# Allegro board SG2042_EVB_V1_1.brd (continued)
## Footprints (pads in the part's own frame, mm; a bottom-side part is the same pattern mirrored in y, then rotated) (continued)
C0201
  rect 0.3x0.3 smd: 1(-0.26,0) 2(0.26,0)
C0402
  rect 0.508x0.508 smd: 1(-0.406,0) 2(0.406,0)
C0402_BGA
  custom 0.127x0.127 smd: 1(-0.508,0) 2(0.508,0)
C0603
  rect 0.762x0.813 smd: 1(-0.737,0) 2(0.737,0)
C0805
  rect 1.143x1.27 smd: 1(-0.889,0) 2(0.889,0)
C1206
  rect 1.397x1.651 smd: 1(-1.397,0) 2(1.397,0)
C1210
  rect 1.397x2.413 smd: 1(-1.397,0) 2(1.397,0)
C7343
  rect 2.413x2.896 smd: 1(-3.05,0) 2(3.05,0)
CAP-SMD100-H126
  rect 1.9x4.4 smd: 1(0,4.35) 2(0,-4.35)
CON-SMD164-910X75-PCIEX16
  round 1.2 hole 1.2 unplated: (-43.3,0) (29.85,0)
  rect 0.7x2 smd: A1(41.5,-3.6) A2(40.5,-3.6) A3(39.5,-3.6) A4(38.5,-3.6) A5(37.5,-3.6) A6(36.5,-3.6) A7(35.5,-3.6) A8(34.5,-3.6) A9(33.5,-3.6) A10(32.5,-3.6) A11(31.5,-3.6) A12(28.5,-3.6) A13(27.5,-3.6) A14(26.5,-3.6) A15(25.5,-3.6) A16(24.5,-3.6) A17(23.5,-3.6) A18(22.5,-3.6) A19(21.5,-3.6) A20(20.5,-3.6) A21(19.5,-3.6) A22(18.5,-3.6) A23(17.5,-3.6) A24(16.5,-3.6) A25(15.5,-3.6) A26(14.5,-3.6) A27(13.5,-3.6) A28(12.5,-3.6) A29(11.5,-3.6) A30(10.5,-3.6) A31(9.5,-3.6) A32(8.5,-3.6) A33(7.5,-3.6) A34(6.5,-3.6) A35(5.5,-3.6) A36(4.5,-3.6) A37(3.5,-3.6) A38(2.5,-3.6) A39(1.5,-3.6) A40(0.5,-3.6) A41(-0.5,-3.6) A42(-1.5,-3.6) A43(-2.5,-3.6) A44(-3.5,-3.6) A45(-4.5,-3.6) A46(-5.5,-3.6) A47(-6.5,-3.6) A48(-7.5,-3.6) A49(-8.5,-3.6) A50(-9.5,-3.6) A51(-10.5,-3.6) A52(-11.5,-3.6) A53(-12.5,-3.6) A54(-13.5,-3.6) A55(-14.5,-3.6) A56(-15.5,-3.6) A57(-16.5,-3.6) A58(-17.5,-3.6) A59(-18.5,-3.6) A60(-19.5,-3.6) A61(-20.5,-3.6) A62(-21.5,-3.6) A63(-22.5,-3.6) A64(-23.5,-3.6) A65(-24.5,-3.6) A66(-25.5,-3.6) A67(-26.5,-3.6) A68(-27.5,-3.6) A69(-28.5,-3.6) A70(-29.5,-3.6) A71(-30.5,-3.6) A72(-31.5,-3.6) A73(-32.5,-3.6) A74(-33.5,-3.6) A75(-34.5,-3.6) A76(-35.5,-3.6) A77(-36.5,-3.6) A78(-37.5,-3.6) A79(-38.5,-3.6) A80(-39.5,-3.6) A81(-40.5,-3.6) A82(-41.5,-3.6) B1(41.5,3.6) B2(40.5,3.6) B3(39.5,3.6) B4(38.5,3.6) B5(37.5,3.6) B6(36.5,3.6) B7(35.5,3.6) B8(34.5,3.6) B9(33.5,3.6) B10(32.5,3.6) B11(31.5,3.6) B12(28.5,3.6) B13(27.5,3.6) B14(26.5,3.6) B15(25.5,3.6) B16(24.5,3.6) B17(23.5,3.6) B18(22.5,3.6) B19(21.5,3.6) B20(20.5,3.6) B21(19.5,3.6) B22(18.5,3.6) B23(17.5,3.6) B24(16.5,3.6) B25(15.5,3.6) B26(14.5,3.6) B27(13.5,3.6) B28(12.5,3.6) B29(11.5,3.6) B30(10.5,3.6) B31(9.5,3.6) B32(8.5,3.6) B33(7.5,3.6) B34(6.5,3.6) B35(5.5,3.6) B36(4.5,3.6) B37(3.5,3.6) B38(2.5,3.6) B39(1.5,3.6) B40(0.5,3.6) B41(-0.5,3.6) B42(-1.5,3.6) B43(-2.5,3.6) B44(-3.5,3.6) B45(-4.5,3.6) B46(-5.5,3.6) B47(-6.5,3.6) B48(-7.5,3.6) B49(-8.5,3.6) B50(-9.5,3.6) B51(-10.5,3.6) B52(-11.5,3.6) B53(-12.5,3.6) B54(-13.5,3.6) B55(-14.5,3.6) B56(-15.5,3.6) B57(-16.5,3.6) B58(-17.5,3.6) B59(-18.5,3.6) B60(-19.5,3.6) B61(-20.5,3.6) B62(-21.5,3.6) B63(-22.5,3.6) B64(-23.5,3.6) B65(-24.5,3.6) B66(-25.5,3.6) B67(-26.5,3.6) B68(-27.5,3.6) B69(-28.5,3.6) B70(-29.5,3.6) B71(-30.5,3.6) B72(-31.5,3.6) B73(-32.5,3.6) B74(-33.5,3.6) B75(-34.5,3.6) B76(-35.5,3.6) B77(-36.5,3.6) B78(-37.5,3.6) B79(-38.5,3.6) B80(-39.5,3.6) B81(-40.5,3.6) B82(-41.5,3.6)
  rect 3x5 smd: PIN1(44.5,0)
  custom 0.75x0.75 smd: PIN2(-44.5,0)
CON-THD3-58X76-H116-FAN
  rect 1.7x1.7 hole 1.2: 1(2.54,0.3)
  round 1.7 hole 1.2: 2(0,0.3) 3(-2.54,0.3)
CON-THD4-58X102-H116-FAN
  rect 1.7x1.7 hole 1.2: 1(3.81,0.3)
  round 1.7 hole 1.2: 2(1.27,0.3) 3(-1.27,0.3) 4(-3.81,0.3)
CON-THD20-10X2-JTAG
  rect 1.524x1.524 hole 1.016: 1(-11.43,-1.27)
  round 1.524 hole 1.016: 2(-11.43,1.27) 3(-8.89,-1.27) 4(-8.89,1.27) 5(-6.35,-1.27) 6(-6.35,1.27) 7(-3.81,-1.27) 8(-3.81,1.27) 9(-1.27,-1.27) 10(-1.27,1.27) 11(1.27,-1.27) 12(1.27,1.27) 13(3.81,-1.27) 14(3.81,1.27) 15(6.35,-1.27) 16(6.35,1.27) 17(8.89,-1.27) 18(8.89,1.27) 19(11.43,-1.27) 20(11.43,1.27)
CON-THD24-522X96-ATX-VF
  rect 2.8x2.8 hole 1.8: 1(23.1,-2.1)
  round 2.8 hole 1.8: 2(18.9,-2.1) 3(14.7,-2.1) 4(10.5,-2.1) 5(6.3,-2.1) 6(2.1,-2.1) 7(-2.1,-2.1) 8(-6.3,-2.1) 9(-10.5,-2.1) 10(-14.7,-2.1) 11(-18.9,-2.1) 12(-23.1,-2.1) 13(23.1,2.1) 14(18.9,2.1) 15(14.7,2.1) 16(10.5,2.1) 17(6.3,2.1) 18(2.1,2.1) 19(-2.1,2.1) 20(-6.3,2.1) 21(-10.5,2.1) 22(-14.7,2.1) 23(-18.9,2.1) 24(-23.1,2.1)
CON-THD32-190X420-LPC_ADAPTER
  rect 1.524x1.524 hole 1.016: 1(-8.09,18.96)
  round 1.524 hole 1.016: 2(-8.09,16.42) 3(-8.09,13.88) 4(-8.09,11.34) 5(-8.09,8.8) 6(-8.09,6.26) 7(-8.09,3.72) 8(-8.09,1.18) 9(-8.09,-1.36) 10(-8.09,-3.9) 11(-8.09,-6.44) 12(-8.09,-8.98) 13(-8.09,-11.52) 14(-8.09,-14.06) 15(-8.09,-16.6) 16(-8.09,-19.14) 17(7.91,-19.14) 18(7.91,-16.6) 19(7.91,-14.06) 20(7.91,-11.52) 21(7.91,-8.98) 22(7.91,-6.44) 23(7.91,-3.9) 24(7.91,-1.36) 25(7.91,1.18) 26(7.91,3.72) 27(7.91,6.26) 28(7.91,8.8) 29(7.91,11.34) 30(7.91,13.88) 31(7.91,16.42) 32(7.91,18.96)
CON-THD288-1420X65-H213-DDR4DIMM
  round 2.45 hole 2.45 unplated: (-68.975,0) (68.975,0)
  oval 1.2x2.45 hole 1.2x2.45 unplated: (5.575,0)
  rect 0.965x0.965 hole 0.66: 1(-63.325,-2.7)
  round 0.965 hole 0.66: 2(-62.475,-1.1) 3(-61.625,-2.7) 4(-60.775,-1.1) 5(-59.925,-2.7) 6(-59.075,-1.1) 7(-58.225,-2.7) 8(-57.375,-1.1) 9(-56.525,-2.7) 10(-55.675,-1.1) 11(-54.825,-2.7) 12(-53.975,-1.1) 13(-53.125,-2.7) 14(-52.275,-1.1) 15(-51.425,-2.7) 16(-50.575,-1.1) 17(-49.725,-2.7) 18(-48.875,-1.1) 19(-48.025,-2.7) 20(-47.175,-1.1) 21(-46.325,-2.7) 22(-45.475,-1.1) 23(-44.625,-2.7) 24(-43.775,-1.1) 25(-42.925,-2.7) 26(-42.075,-1.1) 27(-41.225,-2.7) 28(-40.375,-1.1) 29(-39.525,-2.7) 30(-38.675,-1.1) 31(-37.825,-2.7) 32(-36.975,-1.1) 33(-36.125,-2.7) 34(-35.275,-1.1) 35(-34.425,-2.7) 36(-33.575,-1.1) 37(-32.725,-2.7) 38(-31.875,-1.1) 39(-31.025,-2.7) 40(-30.175,-1.1) 41(-29.325,-2.7) 42(-28.475,-1.1) 43(-27.625,-2.7) 44(-26.775,-1.1) 45(-25.925,-2.7) 46(-25.075,-1.1) 47(-24.225,-2.7) 48(-23.375,-1.1) 49(-22.525,-2.7) 50(-21.675,-1.1) 51(-20.825,-2.7) 52(-19.975,-1.1) 53(-19.125,-2.7) 54(-18.275,-1.1) 55(-17.425,-2.7) 56(-16.575,-1.1) 57(-15.725,-2.7) 58(-14.875,-1.1) 59(-14.025,-2.7) 60(-13.175,-1.1) 61(-12.325,-2.7) 62(-11.475,-1.1) 63(-10.625,-2.7) 64(-9.775,-1.1) 65(-8.925,-2.7) 66(-8.075,-1.1) 67(-7.225,-2.7) 68(-6.375,-1.1) 69(-5.525,-2.7) 70(-4.675,-1.1) 71(-3.825,-2.7) 72(-2.975,-1.1) 73(-2.125,-2.7) 74(-1.275,-1.1) 75(-0.425,-2.7) 76(0.425,-1.1) 77(1.275,-2.7) 78(7.225,-1.1) 79(8.075,-2.7) 80(8.925,-1.1) 81(9.775,-2.7) 82(10.625,-1.1) 83(11.475,-2.7) 84(12.325,-1.1) 85(13.175,-2.7) 86(14.025,-1.1) 87(14.875,-2.7) 88(15.725,-1.1) 89(16.575,-2.7) 90(17.425,-1.1) 91(18.275,-2.7) 92(19.125,-1.1) 93(19.975,-2.7) 94(20.825,-1.1) 95(21.675,-2.7) 96(22.525,-1.1) 97(23.375,-2.7) 98(24.225,-1.1) 99(25.075,-2.7) 100(25.925,-1.1) 101(26.775,-2.7) 102(27.625,-1.1) 103(28.475,-2.7) 104(29.325,-1.1) 105(30.175,-2.7) 106(31.025,-1.1) 107(31.875,-2.7) 108(32.725,-1.1) 109(33.575,-2.7) 110(34.425,-1.1) 111(35.275,-2.7) 112(36.125,-1.1) 113(36.975,-2.7) 114(37.825,-1.1) 115(38.675,-2.7) 116(39.525,-1.1) 117(40.375,-2.7) 118(41.225,-1.1) 119(42.075,-2.7) 120(42.925,-1.1) 121(43.775,-2.7) 122(44.625,-1.1) 123(45.475,-2.7) 124(46.325,-1.1) 125(47.175,-2.7) 126(48.025,-1.1) 127(48.875,-2.7) 128(49.725,-1.1) 129(50.575,-2.7) 130(51.425,-1.1) 131(52.275,-2.7) 132(53.125,-1.1) 133(53.975,-2.7) 134(54.825,-1.1) 135(55.675,-2.7) 136(56.525,-1.1) 137(57.375,-2.7) 138(58.225,-1.1) 139(59.075,-2.7) 140(59.925,-1.1) 141(60.775,-2.7) 142(61.625,-1.1) 143(62.475,-2.7) 144(63.325,-1.1) 145(-63.325,1.1) 146(-62.475,2.7) 147(-61.625,1.1) 148(-60.775,2.7) 149(-59.925,1.1) 150(-59.075,2.7) 151(-58.225,1.1) 152(-57.375,2.7) 153(-56.525,1.1) 154(-55.675,2.7) 155(-54.825,1.1) 156(-53.975,2.7) 157(-53.125,1.1) 158(-52.275,2.7) 159(-51.425,1.1) 160(-50.575,2.7) 161(-49.725,1.1) 162(-48.875,2.7) 163(-48.025,1.1) 164(-47.175,2.7) 165(-46.325,1.1) 166(-45.475,2.7) 167(-44.625,1.1) 168(-43.775,2.7) 169(-42.925,1.1) 170(-42.075,2.7) 171(-41.225,1.1) 172(-40.375,2.7) 173(-39.525,1.1) 174(-38.675,2.7) 175(-37.825,1.1) 176(-36.975,2.7) 177(-36.125,1.1) 178(-35.275,2.7) 179(-34.425,1.1) 180(-33.575,2.7) 181(-32.725,1.1) 182(-31.875,2.7) 183(-31.025,1.1) 184(-30.175,2.7) 185(-29.325,1.1) 186(-28.475,2.7) 187(-27.625,1.1) 188(-26.775,2.7) 189(-25.925,1.1) 190(-25.075,2.7) 191(-24.225,1.1) 192(-23.375,2.7) 193(-22.525,1.1) 194(-21.675,2.7) 195(-20.825,1.1) 196(-19.975,2.7) 197(-19.125,1.1) 198(-18.275,2.7) 199(-17.425,1.1) 200(-16.575,2.7) 201(-15.725,1.1) 202(-14.875,2.7) 203(-14.025,1.1) 204(-13.175,2.7) 205(-12.325,1.1) 206(-11.475,2.7) 207(-10.625,1.1) 208(-9.775,2.7) 209(-8.925,1.1) 210(-8.075,2.7) 211(-7.225,1.1) 212(-6.375,2.7) 213(-5.525,1.1) 214(-4.675,2.7) 215(-3.825,1.1) 216(-2.975,2.7) 217(-2.125,1.1) 218(-1.275,2.7) 219(-0.425,1.1) 220(0.425,2.7) 221(1.275,1.1) 222(7.225,2.7) 223(8.075,1.1) 224(8.925,2.7) 225(9.775,1.1) 226(10.625,2.7) 227(11.475,1.1) 228(12.325,2.7) 229(13.175,1.1) 230(14.025,2.7) 231(14.875,1.1) 232(15.725,2.7) 233(16.575,1.1) 234(17.425,2.7) 235(18.275,1.1) 236(19.125,2.7) 237(19.975,1.1) 238(20.825,2.7) 239(21.675,1.1) 240(22.525,2.7) 241(23.375,1.1) 242(24.225,2.7) 243(25.075,1.1) 244(25.925,2.7) 245(26.775,1.1) 246(27.625,2.7) 247(28.475,1.1) 248(29.325,2.7) 249(30.175,1.1) 250(31.025,2.7) 251(31.875,1.1) 252(32.725,2.7) 253(33.575,1.1) 254(34.425,2.7) 255(35.275,1.1) 256(36.125,2.7) 257(36.975,1.1) 258(37.825,2.7) 259(38.675,1.1) 260(39.525,2.7) 261(40.375,1.1) 262(41.225,2.7) 263(42.075,1.1) 264(42.925,2.7) 265(43.775,1.1) 266(44.625,2.7) 267(45.475,1.1) 268(46.325,2.7) 269(47.175,1.1) 270(48.025,2.7) 271(48.875,1.1) 272(49.725,2.7) 273(50.575,1.1) 274(51.425,2.7) 275(52.275,1.1) 276(53.125,2.7) 277(53.975,1.1) 278(54.825,2.7) 279(55.675,1.1) 280(56.525,2.7) 281(57.375,1.1) 282(58.225,2.7) 283(59.075,1.1) 284(59.925,2.7) 285(60.775,1.1) 286(61.625,2.7) 287(62.475,1.1) 288(63.325,2.7)
DFN2-0606-003
  rect 0.2x0.3 smd: 1(-0.21,0) 2(0.21,0)
DFN8-050-2020
  rect 0.25x0.9 smd: 1(-0.75,-0.75)
  rect 0.25x0.8 smd: 2(-0.25,-0.8) 3(0.25,-0.8) 4(0.75,-0.8) 5(0.75,0.8) 6(0.25,0.8) 7(-0.25,0.8) 8(-0.75,0.8)
DFN8-127-8060-H008
  rect 1.016x0.61 smd: 1(-3.7,1.905) 2(-3.7,0.635) 3(-3.7,-0.635) 4(-3.7,-1.905) 5(3.7,-1.905) 6(3.7,-0.635) 7(3.7,0.635) 8(3.7,1.905)
  rect 3.5x4.4 smd: 9(0,0)
DFN10-050-3030-H075B
  rect 0.75x0.3 smd: 1(-1.45,1) 2(-1.45,0.5) 3(-1.45,0) 4(-1.45,-0.5) 5(-1.45,-1) 6(1.45,-1) 7(1.45,-0.5) 8(1.45,0) 9(1.45,0.5) 10(1.45,1)
  rect 1.75x2.6 smd: 11(0,0)
DFN19-050-3040-H075
  rect 0.8x0.25 smd: 1(-1.475,1.5) 2(-1.475,1) 3(-1.475,0.5) 4(-1.475,0) 5(-1.475,-0.5) 6(-1.475,-1) 7(-1.475,-1.5) 10(1.475,-1.5) 11(1.475,-1) 12(1.475,-0.5) 13(1.475,0) 14(1.475,0.5) 15(1.475,1)
  rect 0.25x0.8 smd: 8(-0.75,-1.975) 16(1,1.975) 19(-0.75,1.975)
  custom 0.113x0.113 smd: 9(-0.3,-1.375)
  rect 0.33x2.48 smd: 17(0.34,1.135)
  rect 0.45x1.305 smd: 18(-0.3,0.548)
DIP2X12-2_54
  rect 1.524x1.524 hole 1.016: 1(-13.97,-1.27)
  round 1.524 hole 1.016: 2(-13.97,1.27) 3(-11.43,-1.27) 4(-11.43,1.27) 5(-8.89,-1.27) 6(-8.89,1.27) 7(-6.35,-1.27) 8(-6.35,1.27) 9(-3.81,-1.27) 10(-3.81,1.27) 11(-1.27,-1.27) 12(-1.27,1.27) 13(1.27,-1.27) 14(1.27,1.27) 15(3.81,-1.27) 16(3.81,1.27) 17(6.35,-1.27) 18(6.35,1.27) 19(8.89,-1.27) 20(8.89,1.27) 21(11.43,-1.27) 22(11.43,1.27) 23(13.97,-1.27) 24(13.97,1.27)
FB0402
  rect 0.508x0.508 smd: 1(-0.406,0) 2(0.406,0)
FB0603
  rect 0.762x0.813 smd: 1(-0.762,0) 2(0.762,0)
FB0805
  rect 1.067x1.27 smd: 1(-0.914,0) 2(0.914,0)
HEADER-THD4-254-1X4
  rect 1.524x1.524 hole 1.016: 1(0,0)
  round 1.524 hole 1.016: 2(2.54,0) 3(5.08,0) 4(7.62,0)
HEADER-THD6-254-1X6
  rect 1.524x1.524 hole 1.016: 1(0,0)
  round 1.524 hole 1.016: 2(2.54,0) 3(5.08,0) 4(7.62,0) 5(10.16,0) 6(12.7,0)
HOLE118-315
  round 8 hole 3: 1(0,0)
HOLE138-256
  round 6.502 hole 3.505: 1(0,0)
HOLE138-315
  round 8 hole 3.5: 1(0,0)
ID-BOARD
  round 1.016 smd: 1(0,0)
J-TF-510
  round 1.016 hole 1.016 unplated: (-4,-3.25) (4,-3.25)
  rect 0.711x1.651 smd: 1(3.2,7.25) 2(2.1,7.25) 3(1,7.25) 4(-0.1,7.25) 5(-1.2,7.25) 6(-2.3,7.25) 7(-3.4,7.25) 8(-4.5,7.25) 9(-5.6,7.25)
  rect 1.397x1.397 smd: 10(-6.9,6.75)
  rect 1.397x2.286 smd: 11(-6.9,-2.85)
  rect 1.016x2.286 smd: 12(8.63,-2.85)
  rect 1.651x1.397 smd: 13(7.8,6.75)
LED0603
  rect 0.8x0.9 smd: A(-0.75,0) C(0.75,0)
PL78X102-H73
  rect 3.3x2.5 smd: 1(-4,0) 2(4,0)
PL3030-12
  rect 0.8x3.2 smd: 1(-1.15,0) 2(1.15,0)
PL7368-28
  rect 2.5x3.5 smd: 1(-3.1,0) 2(3.1,0)
QFN39-045-5060-H008
  rect 0.8x0.25 smd: 1(-2.5,2.27) 2(-2.5,1.82) 3(-2.5,1.37) 4(-2.5,0.92) 5(-2.5,0.47) 6(-2.5,0.02) 7(-2.5,-1.05) 8(-2.5,-1.5) 9(-2.5,-1.95) 20(2.5,-2.055) 21(2.5,-1.605) 22(2.5,-1.155) 23(2.5,-0.705) 24(2.5,-0.255) 25(2.5,0.375) 26(2.5,0.825) 27(2.5,1.275) 28(2.5,1.725) 29(2.5,2.175)
  custom 0.2x0.2 smd: 10(-2.025,-3)
  rect 0.25x0.8 smd: 11(-1.575,-3) 12(-1.125,-3) 13(-0.675,-3) 14(-0.225,-3) 15(0.225,-3) 16(0.675,-3) 17(1.125,-3) 18(1.575,-3) 19(2.025,-3) 30(2.025,3) 31(1.575,3) 32(1.125,3) 33(0.675,3) 34(0.225,3) 35(-0.225,3) 36(-0.675,3) 37(-1.125,3) 38(-1.575,3) 39(-2.025,3)
  rect 1.75x1.95 smd: 40(-0.875,1.275)
  rect 0.45x0.3 smd: 41(-1.525,-0.255)
  rect 1.83x1.95 smd: 42(1.315,1.275)
  custom 0.525x0.525 smd: 43(0,-1.15)
QFN40-040-5050
  rect 0.711x0.203 smd: 1(-2.45,1.8) 2(-2.45,1.4) 3(-2.45,1) 4(-2.45,0.6) 5(-2.45,0.2) 6(-2.45,-0.2) 7(-2.45,-0.6) 8(-2.45,-1) 9(-2.45,-1.4) 10(-2.45,-1.8) 21(2.45,-1.8) 22(2.45,-1.4) 23(2.45,-1) 24(2.45,-0.6) 25(2.45,-0.2) 26(2.45,0.2) 27(2.45,0.6) 28(2.45,1) 29(2.45,1.4) 30(2.45,1.8)
  rect 0.203x0.711 smd: 11(-1.8,-2.45) 12(-1.4,-2.45) 13(-1,-2.45) 14(-0.6,-2.45) 15(-0.2,-2.45) 16(0.2,-2.45) 17(0.6,-2.45) 18(1,-2.45) 19(1.4,-2.45) 20(1.8,-2.45) 31(1.8,2.45) 32(1.4,2.45) 33(1,2.45) 34(0.6,2.45) 35(0.2,2.45) 36(-0.2,2.45) 37(-0.6,2.45) 38(-1,2.45) 39(-1.4,2.45) 40(-1.8,2.45)
  rect 3.6x3.6 smd: 41(0,0)
QFN48-040-6060-H009
  rect 0.711x0.203 smd: 1(-2.95,2.2) 2(-2.95,1.8) 3(-2.95,1.4) 4(-2.95,1) 5(-2.95,0.6) 6(-2.95,0.2) 7(-2.95,-0.2) 8(-2.95,-0.6) 9(-2.95,-1) 10(-2.95,-1.4) 11(-2.95,-1.8) 12(-2.95,-2.2) 25(2.95,-2.2) 26(2.95,-1.8) 27(2.95,-1.4) 28(2.95,-1) 29(2.95,-0.6) 30(2.95,-0.2) 31(2.95,0.2) 32(2.95,0.6) 33(2.95,1) 34(2.95,1.4) 35(2.95,1.8) 36(2.95,2.2)
  rect 0.203x0.711 smd: 13(-2.2,-2.95) 14(-1.8,-2.95) 15(-1.4,-2.95) 16(-1,-2.95) 17(-0.6,-2.95) 18(-0.2,-2.95) 19(0.2,-2.95) 20(0.6,-2.95) 21(1,-2.95) 22(1.4,-2.95) 23(1.8,-2.95) 24(2.2,-2.95) 37(2.2,2.95) 38(1.8,2.95) 39(1.4,2.95) 40(1,2.95) 41(0.6,2.95) 42(0.2,2.95) 43(-0.2,2.95) 44(-0.6,2.95) 45(-1,2.95) 46(-1.4,2.95) 47(-1.8,2.95) 48(-2.2,2.95)
  rrect 4.7x4.7 smd: 49(0,0)
QFN-28_CP2102
  rect 1x0.25 smd: 1(-2.475,1.5) 2(-2.475,1) 3(-2.475,0.5) 4(-2.475,0) 5(-2.475,-0.5) 6(-2.475,-1) 7(-2.475,-1.5) 15(2.475,-1.5) 16(2.475,-1) 17(2.475,-0.5) 18(2.475,0) 19(2.475,0.5) 20(2.475,1) 21(2.475,1.5)
  rect 0.25x1 smd: 8(-1.5,-2.475) 9(-1,-2.475) 10(-0.5,-2.475) 11(0,-2.475) 12(0.5,-2.475) 13(1,-2.475) 14(1.5,-2.475) 22(1.5,2.475) 23(1,2.475) 24(0.5,2.475) 25(0,2.475) 26(-0.5,2.475) 27(-1,2.475) 28(-1.5,2.475)
  rect 3.2x3.2 smd: 29(0,0)
QFP100-050-160X160
  rect 0.3x1.2 smd: 1(-6,-7.75) 2(-5.5,-7.75) 3(-5,-7.75) 4(-4.5,-7.75) 5(-4,-7.75) 6(-3.5,-7.75) 7(-3,-7.75) 8(-2.5,-7.75) 9(-2,-7.75) 10(-1.5,-7.75) 11(-1,-7.75) 12(-0.5,-7.75) 13(0,-7.75) 14(0.5,-7.75) 15(1,-7.75) 16(1.5,-7.75) 17(2,-7.75) 18(2.5,-7.75) 19(3,-7.75) 20(3.5,-7.75) 21(4,-7.75) 22(4.5,-7.75) 23(5,-7.75) 24(5.5,-7.75) 25(6,-7.75) 51(6,7.75) 52(5.5,7.75) 53(5,7.75) 54(4.5,7.75) 55(4,7.75) 56(3.5,7.75) 57(3,7.75) 58(2.5,7.75) 59(2,7.75) 60(1.5,7.75) 61(1,7.75) 62(0.5,7.75) 63(0,7.75) 64(-0.5,7.75) 65(-1,7.75) 66(-1.5,7.75) 67(-2,7.75) 68(-2.5,7.75) 69(-3,7.75) 70(-3.5,7.75) 71(-4,7.75) 72(-4.5,7.75) 73(-5,7.75) 74(-5.5,7.75) 75(-6,7.75)
  rect 1.2x0.3 smd: 26(7.75,-6) 27(7.75,-5.5) 28(7.75,-5) 29(7.75,-4.5) 30(7.75,-4) 31(7.75,-3.5) 32(7.75,-3) 33(7.75,-2.5) 34(7.75,-2) 35(7.75,-1.5) 36(7.75,-1) 37(7.75,-0.5) 38(7.75,0) 39(7.75,0.5) 40(7.75,1) 41(7.75,1.5) 42(7.75,2) 43(7.75,2.5) 44(7.75,3) 45(7.75,3.5) 46(7.75,4) 47(7.75,4.5) 48(7.75,5) 49(7.75,5.5) 50(7.75,6) 76(-7.75,6) 77(-7.75,5.5) 78(-7.75,5) 79(-7.75,4.5) 80(-7.75,4) 81(-7.75,3.5) 82(-7.75,3) 83(-7.75,2.5) 84(-7.75,2) 85(-7.75,1.5) 86(-7.75,1) 87(-7.75,0.5) 88(-7.75,0) 89(-7.75,-0.5) 90(-7.75,-1) 91(-7.75,-1.5) 92(-7.75,-2) 93(-7.75,-2.5) 94(-7.75,-3) 95(-7.75,-3.5) 96(-7.75,-4) 97(-7.75,-4.5) 98(-7.75,-5) 99(-7.75,-5.5) 100(-7.75,-6)
R0201
  rect 0.3x0.3 smd: 1(-0.26,0) 2(0.26,0)
R0402
  rect 0.508x0.508 smd: 1(-0.406,0) 2(0.406,0)
R0805
  rect 1.067x1.27 smd: 1(-0.914,0) 2(0.914,0)
R1206
  rect 1.397x1.651 smd: 1(-1.397,0) 2(1.397,0)
R2512
  rect 1.8x3.4 smd: 1(-2.6,0) 2(2.6,0)
RJ45-NT
  round 3.25 hole 3.25 unplated: (-6.35,0) (6.35,0)
  round 1.5 hole 0.9: 1(3.57,2.54) 2(2.55,4.32) 3(1.53,2.54) 4(0.51,4.32) 5(-0.51,2.54) 6(-1.53,4.32) 7(-2.55,2.54) 8(-3.57,4.32) 9(6.86,9.14) 10(4.57,9.14) 11(-4.57,9.14) 12(-6.86,9.14)
  round 3 hole 1.7: 13(8.125,3.43) 14(-8.125,3.43)
SOD-123-13
  rect 1.2x1.5 smd: 1(-1.55,0) 2(1.55,0)
SOP8-127-4050
  rect 0.6x1.5 smd: 1(-1.905,-2.75) 2(-0.635,-2.75) 3(0.635,-2.75) 4(1.905,-2.75) 5(1.905,2.75) 6(0.635,2.75) 7(-0.635,2.75) 8(-1.905,2.75)
SOP24-50-1218-062
  rect 0.762x2.286 smd: 1(-6.985,-7.455) 2(-5.715,-7.455) 3(-4.445,-7.455) 4(-3.175,-7.455) 5(-1.905,-7.455) 6(-0.635,-7.455) 7(0.635,-7.455) 8(1.905,-7.455) 9(3.175,-7.455) 10(4.445,-7.455) 11(5.715,-7.455) 12(6.985,-7.455) 13(6.985,7.455) 14(5.715,7.455) 15(4.445,7.455) 16(3.175,7.455) 17(1.905,7.455) 18(0.635,7.455) 19(-0.635,7.455) 20(-1.905,7.455) 21(-3.175,7.455) 22(-4.445,7.455) 23(-5.715,7.455) 24(-6.985,7.455)
SOT23-3
  rect 0.762x1.016 smd: 1(-0.95,-1.05) 2(0.95,-1.05) 3(0,1.05)
SOT23-3-H10
  rect 0.762x1.016 smd: 1(-0.95,-1.05) 2(0.95,-1.05) 3(0,1.05)
SOT363-6
  rect 0.4x0.6 smd: 1(-0.65,-0.95) 2(0,-0.95) 3(0.65,-0.95) 4(0.65,0.95) 5(0,0.95) 6(-0.65,0.95)
SOT563-6-H06
  rect 0.254x0.61 smd: 1(-0.5,-0.7) 2(0,-0.7) 3(0.5,-0.7) 4(0.5,0.7) 5(0,0.7) 6(-0.5,0.7)
SOT-23
  rect 0.762x1.016 smd: 1(-0.95,-1.05) 2(0.95,-1.05) 3(0,1.05)
SW2-050-150X105-H141
  oval 1.2x4.9 hole 0.6x4.3: 1(-5,0) 2(0,0)
SW4-0606
  rect 2.54x1.27 smd: 1(-4.26,2.25) 2(-4.26,-2.25) 3(4.26,2.25) 4(4.26,-2.25)
SW-6BI
  rect 0.8x1.3 smd: 1(-3.175,-3.81) 2(-1.905,-3.81) 3(-0.635,-3.81) 4(0.635,-3.81) 5(1.905,-3.81) 6(3.175,-3.81) 7(3.175,3.81) 8(1.905,3.81) 9(0.635,3.81) 10(-0.635,3.81) 11(-1.905,3.81) 12(-3.175,3.81)
TP30
  round 0.762 smd: 1(0,0)
TXS0108E
  rect 0.356x1.651 smd: 1(-2.925,-2.9) 2(-2.275,-2.9) 3(-1.625,-2.9) 4(-0.975,-2.9) 5(-0.325,-2.9) 6(0.325,-2.9) 7(0.975,-2.9) 8(1.625,-2.9) 9(2.275,-2.9) 10(2.925,-2.9) 11(2.925,2.9) 12(2.275,2.9) 13(1.625,2.9) 14(0.975,2.9) 15(0.325,2.9) 16(-0.325,2.9) 17(-0.975,2.9) 18(-1.625,2.9) 19(-2.275,2.9) 20(-2.925,2.9)
unnamed#2
  round 3.5 hole 3.5 unplated: (0,0)
unnamed#3
  round 1.016 smd: 1(0,0)
USB-MICROB-SHR-H2_8
  round 0 hole 0.55 unplated: (-0.7,-0.525) (3.3,-0.525)
  rect 0.4x1.35 smd: 1(0,0) 2(0.65,0) 3(1.3,0) 4(1.95,0) 5(2.6,0)
  oval 1.05x2.15 hole 0.45x1.55: 6(-1.525,-2.675) 7(4.125,-2.675)
  rect 1.9x1.9 smd: 8(1.3,-2.675)
VFBGA153
  round 0.24 smd: A1(3.25,-3.25) A2(2.75,-3.25) A3(2.25,-3.25) A4(1.75,-3.25) A5(1.25,-3.25) A6(0.75,-3.25) A7(0.25,-3.25) A8(-0.25,-3.25) A9(-0.75,-3.25) A10(-1.25,-3.25) A11(-1.75,-3.25) A12(-2.25,-3.25) A13(-2.75,-3.25) A14(-3.25,-3.25) B2(2.75,-2.75) B3(2.25,-2.75) B4(1.75,-2.75) B5(1.25,-2.75) B6(0.75,-2.75) B7(0.25,-2.75) B8(-0.25,-2.75) B9(-0.75,-2.75) B10(-1.25,-2.75) B11(-1.75,-2.75) B12(-2.25,-2.75) B13(-2.75,-2.75) B14(-3.25,-2.75) C2(2.75,-2.25) C3(2.25,-2.25) C4(1.75,-2.25) C5(1.25,-2.25) C6(0.75,-2.25) C7(0.25,-2.25) C8(-0.25,-2.25) C9(-0.75,-2.25) C10(-1.25,-2.25) C11(-1.75,-2.25) C12(-2.25,-2.25) C13(-2.75,-2.25) C14(-3.25,-2.25) D2(2.75,-1.75) D3(2.25,-1.75) D4(1.75,-1.75) D12(-2.25,-1.75) D13(-2.75,-1.75) D14(-3.25,-1.75) E1(3.25,-1.25) E2(2.75,-1.25) E3(2.25,-1.25) E5(1.25,-1.25) E6(0.75,-1.25) E7(0.25,-1.25) E8(-0.25,-1.25) E9(-0.75,-1.25) E10(-1.25,-1.25) E12(-2.25,-1.25) E13(-2.75,-1.25) E14(-3.25,-1.25) F1(3.25,-0.75) F2(2.75,-0.75) F3(2.25,-0.75) F5(1.25,-0.75) F10(-1.25,-0.75) F12(-2.25,-0.75) F13(-2.75,-0.75) F14(-3.25,-0.75) G1(3.25,-0.25) G2(2.75,-0.25) G3(2.25,-0.25) G5(1.25,-0.25) G10(-1.25,-0.25) G12(-2.25,-0.25) G13(-2.75,-0.25) G14(-3.25,-0.25) H1(3.25,0.25) H2(2.75,0.25) H3(2.25,0.25) H5(1.25,0.25) H10(-1.25,0.25) H12(-2.25,0.25) H13(-2.75,0.25) H14(-3.25,0.25) J1(3.25,0.75) J2(2.75,0.75) J3(2.25,0.75) J5(1.25,0.75) J10(-1.25,0.75) J12(-2.25,0.75) J13(-2.75,0.75) J14(-3.25,0.75) K1(3.25,1.25) K2(2.75,1.25) K3(2.25,1.25) K5(1.25,1.25) K6(0.75,1.25) K7(0.25,1.25) K8(-0.25,1.25) K9(-0.75,1.25) K10(-1.25,1.25) K12(-2.25,1.25) K13(-2.75,1.25) K14(-3.25,1.25) L1(3.25,1.75) L2(2.75,1.75) L3(2.25,1.75) L12(-2.25,1.75) L13(-2.75,1.75) L14(-3.25,1.75) M1(3.25,2.25) M2(2.75,2.25) M3(2.25,2.25) M4(1.75,2.25) M5(1.25,2.25) M6(0.75,2.25) M7(0.25,2.25) M8(-0.25,2.25) M9(-0.75,2.25) M10(-1.25,2.25) M11(-1.75,2.25) M12(-2.25,2.25) M13(-2.75,2.25) M14(-3.25,2.25) N1(3.25,2.75) N2(2.75,2.75) N3(2.25,2.75) N4(1.75,2.75) N5(1.25,2.75) N6(0.75,2.75) N7(0.25,2.75) N8(-0.25,2.75) N9(-0.75,2.75) N10(-1.25,2.75) N11(-1.75,2.75) N12(-2.25,2.75) N13(-2.75,2.75) N14(-3.25,2.75) P1(3.25,3.25) P2(2.75,3.25) P3(2.25,3.25) P4(1.75,3.25) P5(1.25,3.25) P6(0.75,3.25) P7(0.25,3.25) P8(-0.25,3.25) P9(-0.75,3.25) P10(-1.25,3.25) P11(-1.75,3.25) P12(-2.25,3.25) P13(-2.75,3.25) P14(-3.25,3.25)
  oval 0.24x0.206 smd: B1(3.25,-2.75) C1(3.25,-2.25) D1(3.25,-1.75)
WQFN40-050-6161
  rect 0.6x0.25 smd: 1(-2.9,2.25) 2(-2.9,1.75) 3(-2.9,1.25) 4(-2.9,0.75) 5(-2.9,0.25) 6(-2.9,-0.25) 7(-2.9,-0.75) 8(-2.9,-1.25) 9(-2.9,-1.75) 10(-2.9,-2.25) 21(2.9,-2.25) 22(2.9,-1.75) 23(2.9,-1.25) 24(2.9,-0.75) 25(2.9,-0.25) 26(2.9,0.25) 27(2.9,0.75) 28(2.9,1.25) 29(2.9,1.75) 30(2.9,2.25)
  rect 0.25x0.6 smd: 11(-2.25,-2.9) 12(-1.75,-2.9) 13(-1.25,-2.9) 14(-0.75,-2.9) 15(-0.25,-2.9) 16(0.25,-2.9) 17(0.75,-2.9) 18(1.25,-2.9) 19(1.75,-2.9) 20(2.25,-2.9) 31(2.25,2.9) 32(1.75,2.9) 33(1.25,2.9) 34(0.75,2.9) 35(0.25,2.9) 36(-0.25,2.9) 37(-0.75,2.9) 38(-1.25,2.9) 39(-1.75,2.9) 40(-2.25,2.9)
  rect 4.6x4.6 smd: 41(0,0)
X2-3215-H009
  rect 1.1x1.8 smd: 1(-1.25,0) 2(1.25,0)
X4-3225-H1_2MM
  rect 1.397x1.27 smd: 1(-1.2,-0.95) 2(1.2,-0.95) 3(1.2,0.95) 4(-1.2,0.95)
X4-3225-H08
  rect 1.4x1.2 smd: 1(-1.1,-0.85) 2(1.1,-0.85) 3(1.1,0.85) 4(-1.1,0.85)
X6-5070-H014
  rrect 1.8x2 smd: 1(-2.54,-2.1) 3(2.54,-2.1)
  rect 1.6x2.007 smd: 2(0,-2.1) 5(0,2.1)
  rect 1.8x2 smd: 4(2.54,2.1) 6(-2.54,2.1)

## Nets
3.3V_AUX: C1207.2 C1416.2 C1427.2 C1442.2 C1444.2 C1540.2 C1555.2 C1570.2 C1572.2 C1574.2 C1576.2 C1676.1 C1677.2 C1678.2 C1737.1 C1738.1 C3156.2 C3231.2 C3302.1 C3303.1 C3309.1 C3310.1 C3327.2 C3328.2 C3329.2 C3330.2 C3331.2 C3332.2 C3333.2 C3334.2 FB1111.2 FB2015.2 FB2020.2 FB2022.2 L23.2 R1145.2 T51.1(TP) U3.3(V+) U4.3(V+) U6.3(V+) U20.3(V+) U24.3(V+) U26.3(V+) U27.3(V+) U30.3(V+) U45.3(V+) U48.3(V+) U50.3(V+) U51.3(V+) U57.3(V+) U59.3(V+) U61.3(V+) U62.3(V+) U63.3(V+) U64.3(V+) U815.3(V+) U2004.3(V+) U2005.3(V+)
12V_DIMM: C19.1 C20.1 C39.1 C40.1 C59.1 C60.1 C79.1 C80.1 C1430.1 C1431.1 C1432.1 C1433.1 C1543.1 C1544.1 C1545.1 C1546.1 J1.1 J1.145 J2.1 J2.145 J3.1 J3.145 J4.1 J4.145 R312.2 R457.2 R663.2 U49.9 U49.18(VIN1) U58.9 U58.18(VIN1)
12V_F: F408.1 R305.1
12V_F_R: C3263.1 C3264.1 D532.1(K) FB2016.2 J2008.2 J2017.2 J2021.1
+3.3V_ATX: ATXPWR1.1 ATXPWR1.2 ATXPWR1.12 ATXPWR1.13 C1192.1 C1193.1 C1194.1 C1195.1 C1196.1 FB1110.1 FB2019.1 FB2021.1
+5V: C1167.1 C1168.1 C1187.1 C1188.1 C1189.1 C1190.1 C1191.1 C1209.1 C1210.1 C1217.1 C1218.1 C1231.1 C1232.1 C1558.1 C1559.1 C1560.1 C1561.1 C2010.1 C3161.1 C3162.1 C3230.1 R307.2 R334.2 R341.2 R354.2 R577.2 R581.2 R674.2 R1349.2 R2198.1 U19.1 U25.1 U28.1 U31.1 U60.9 U60.18(VIN1) U816.1 U2001.8 U2004.5
+5V_ATX: ATXPWR1.4 ATXPWR1.6 ATXPWR1.21 ATXPWR1.22 ATXPWR1.23 R2198.2 R2451.2 U2004.4
+5V_SB: ATXPWR1.9 C1674.1 C1675.1 R304.1 R1143.2 U808.1
+12V_ATX: ATXPWR1.10 ATXPWR1.11 C1182.1 C1183.1 C1184.1 C1185.1 C1186.1 F400.1 F409.1 F410.1 R305.2 R312.1 R2393.2 U2005.4
